# KiCad board panel.opm-lowside.kicad_pcb (continued)
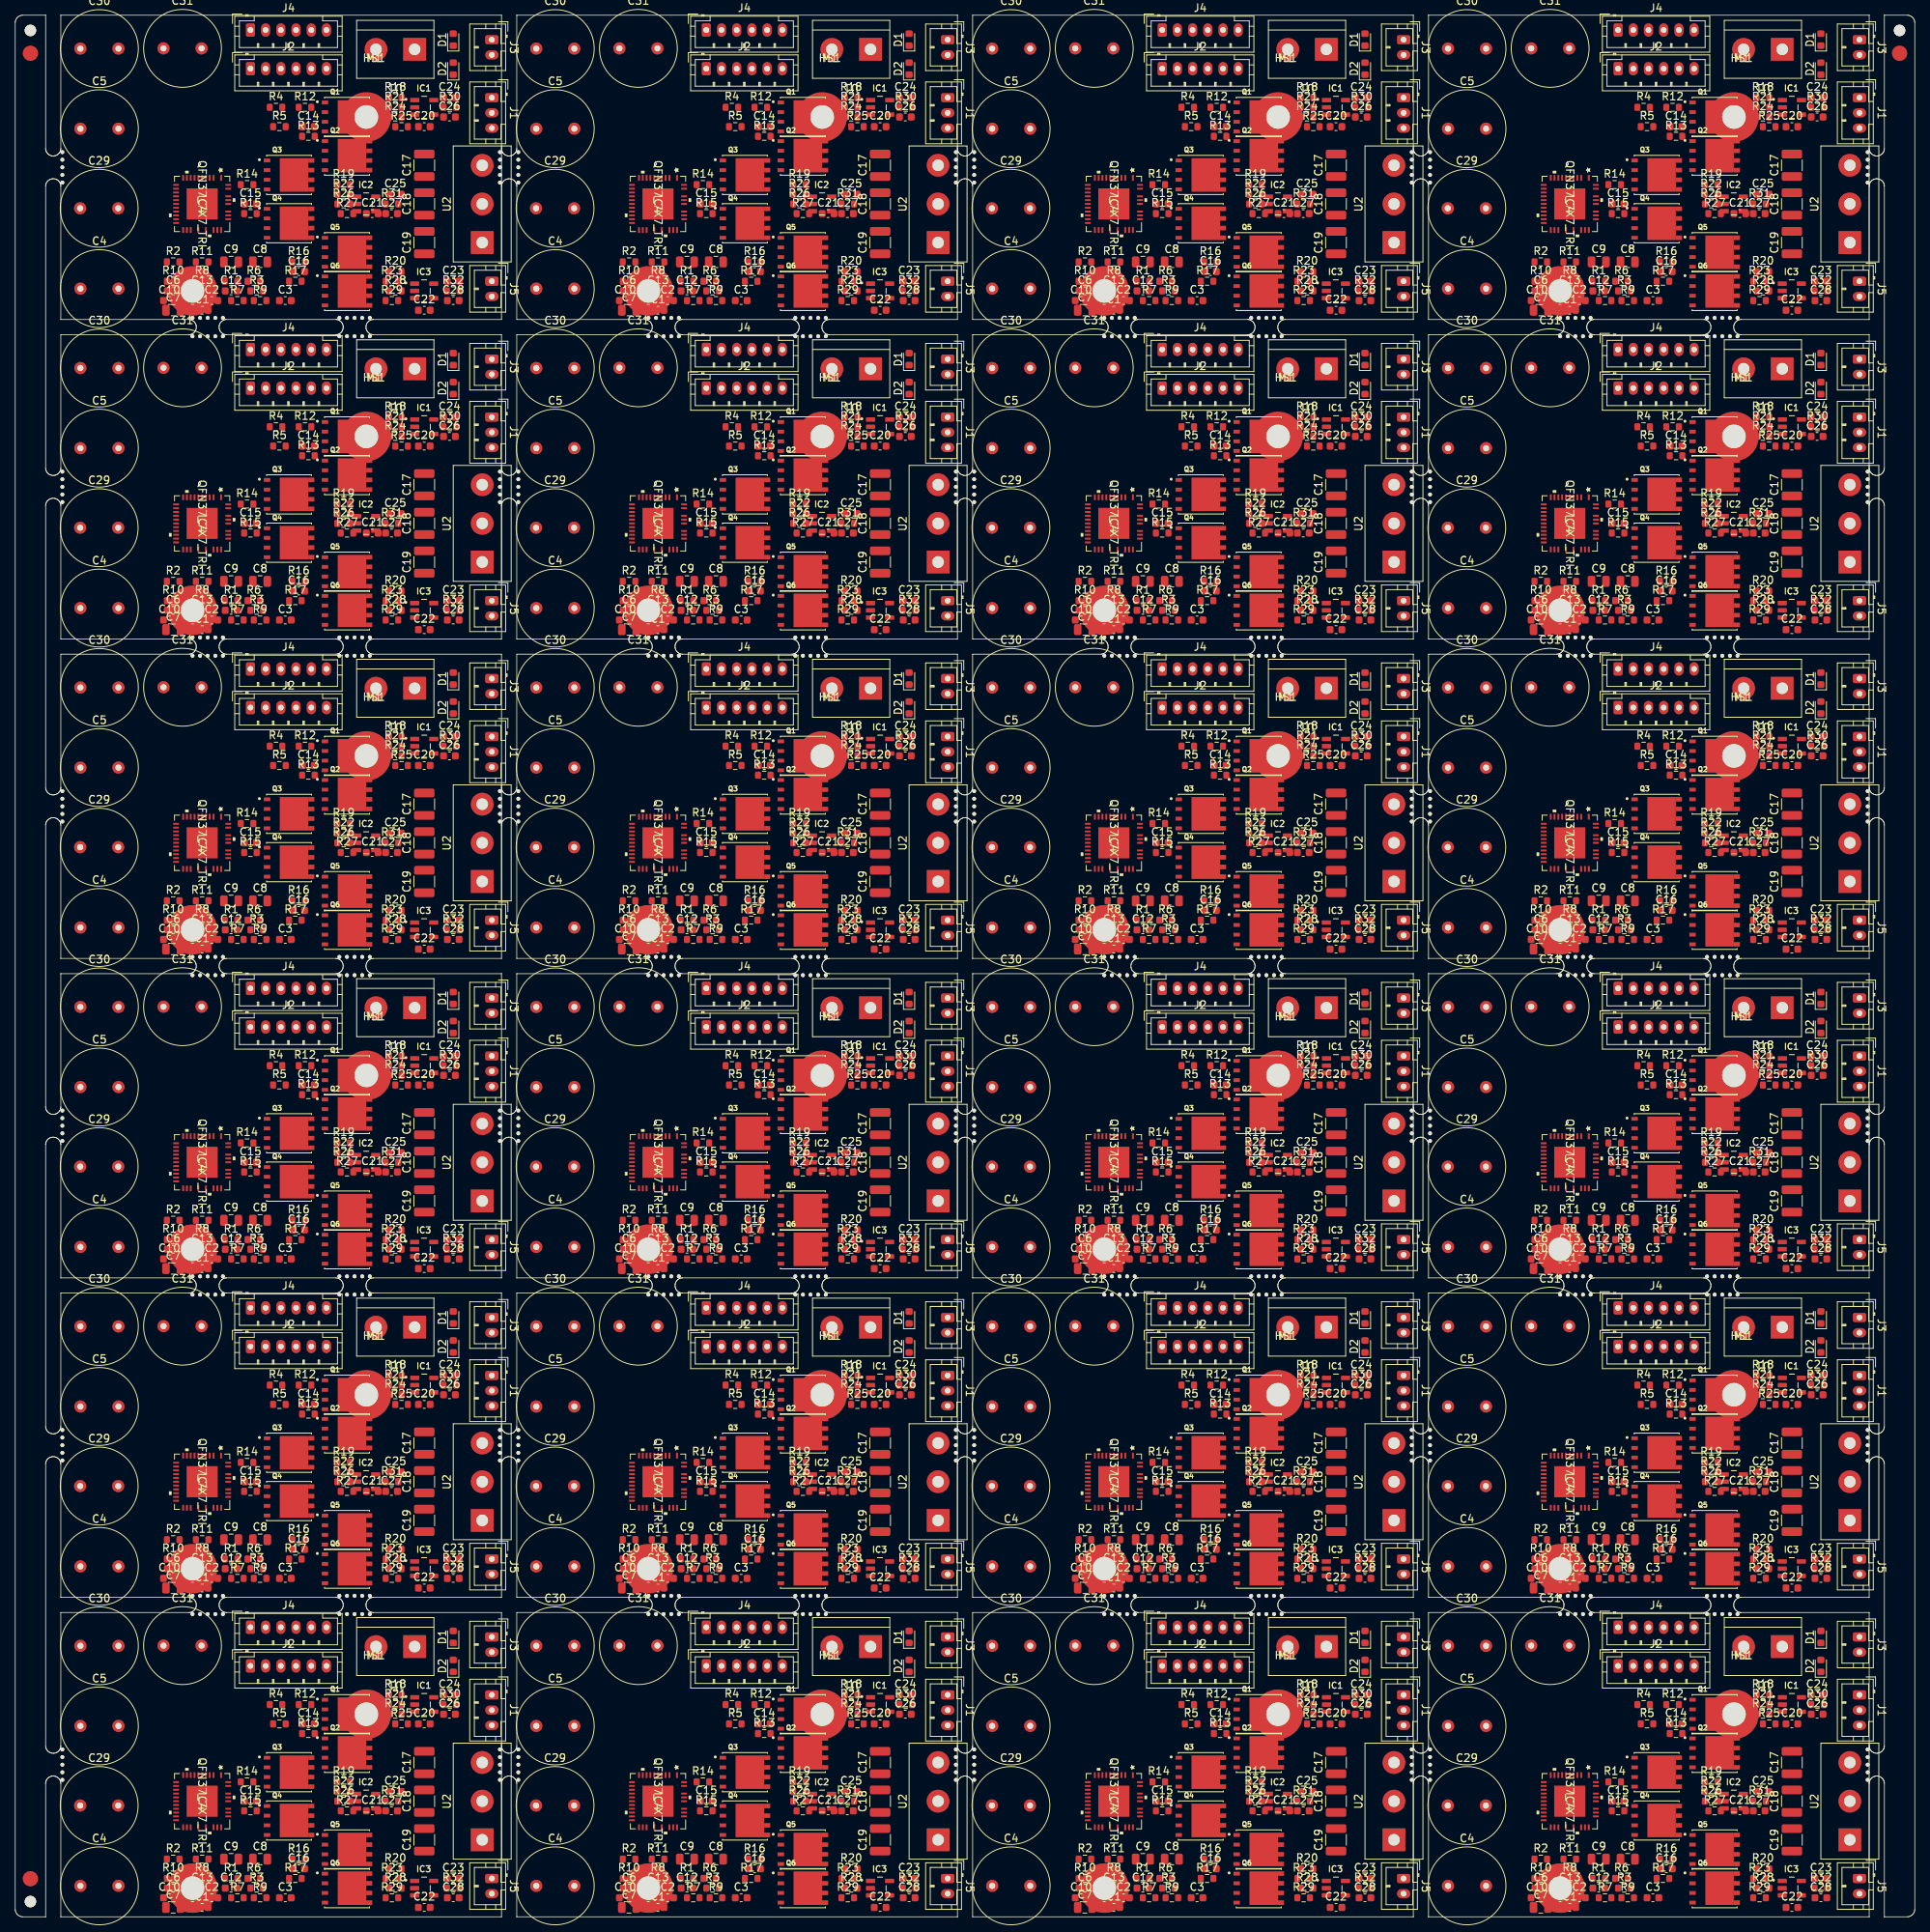
[diagram p0: board, top side]
## Nets (continued)
Board_5-Net-(IC4-Pad37): IC4#6.37 R12#6.2
Board_5-Net-(Q1-Pad4): Q1#6.4 R12#6.1
Board_5-Net-(Q2-Pad4): Q2#6.4 R13#6.1
Board_5-Net-(Q2-Pad5): Q2#6.5 Q2#6.6 Q2#6.7 Q2#6.8 R18#6.1 R21#6.1 R24#6.2
Board_5-Net-(Q3-Pad4): Q3#6.4 R14#6.1
Board_5-Net-(Q4-Pad4): Q4#6.4 R15#6.1
Board_5-Net-(Q4-Pad5): Q4#6.5 Q4#6.6 Q4#6.7 Q4#6.8 R19#6.1 R22#6.1 R26#6.2
Board_5-Net-(Q5-Pad4): Q5#6.4 R16#6.1
Board_5-Net-(Q6-Pad4): Q6#6.4 R17#6.1
Board_5-Net-(Q6-Pad5): Q6#6.5 Q6#6.6 Q6#6.7 Q6#6.8 R20#6.1 R23#6.1 R28#6.2
Board_5-Net-(R1-Pad1): R1#6.1
Board_5-Net-(R1-Pad2): R1#6.2 R2#6.1
Board_5-Net-(R10-Pad2): R10#6.2
Board_5-Net-(R20-Pad2): R20#6.2 R23#6.2 R29#6.2
Board_5-U-IA-IDC: C26#6.1 R30#6.1
Board_5-V-IA-IDC: C27#6.1 R31#6.1
Board_5-W-IA-IDC: C28#6.1 R32#6.1
Board_6-+5V: C1#7.2 C2#7.2 C3#7.2 C4#7.2 C5#7.2 C6#7.2 C7#7.2 C8#7.2 C9#7.2 C10#7.2 C12#7.1 C17#7.2 C18#7.2 C19#7.2 C23#7.1 C24#7.1 C25#7.1 C26#7.2 C27#7.2 C28#7.2 C29#7.2 C30#7.2 C31#7.2 D1#7.1 D2#7.1 IC1#7.2 IC2#7.2 IC3#7.2 IC4#7.8 IC4#7.9 J3#7.2 J5#7.2 R3#7.2 R7#7.2 R9#7.2 R11#7.2 R18#7.2 R19#7.2 R21#7.2 R22#7.2 R25#7.2 R27#7.2 U1#7.1
Board_6-/+VM: C4#7.1 C5#7.1 C12#7.2 C13#7.2 C17#7.1 C18#7.1 C19#7.1 C29#7.1 C30#7.1 C31#7.1 IC4#7.28 Q1#7.1 Q1#7.2 Q1#7.3 Q3#7.1 Q3#7.2 Q3#7.3 Q5#7.1 Q5#7.2 Q5#7.3 U1#7.2
Board_6-/ADC_I_u: J1#7.1
Board_6-/ADC_I_w: J1#7.3
Board_6-/Connectors/ADC_I_v: J1#7.2
Board_6-/Connectors/FAULT: J2#7.6
Board_6-/Connectors/Fault: R5#7.2
Board_6-/Connectors/SPI1_MISO: J2#7.4
Board_6-/Connectors/SPI1_MOSI: J2#7.3
Board_6-/Connectors/SPI1_SCK: J2#7.2
Board_6-/Connectors/VOFS: R6#7.2 R7#7.1
Board_6-/DRV_EN: IC4#7.24 J2#7.5
Board_6-/Fault: IC4#7.23
Board_6-/Motor Driver/SPI2_MISO: IC4#7.13
Board_6-/SPE: IC4#7.22 R8#7.2 R9#7.1
Board_6-/SPI2_MOSI: IC4#7.12
Board_6-/SPI2_SCK: IC4#7.11
Board_6-/U: C3#7.1 U2#7.3
Board_6-/UH: IC4#7.14 J4#7.6
Board_6-/UL: IC4#7.15 J4#7.5
Board_6-/V: C2#7.1 U2#7.2
Board_6-/VCP: C13#7.1 IC4#7.29
Board_6-/VH: IC4#7.17 J4#7.4
Board_6-/VL: IC4#7.18 J4#7.3
Board_6-/VSA: C7#7.1 IC4#7.25 R10#7.1
Board_6-/W: C1#7.1 U2#7.1
Board_6-/WH: IC4#7.19 J4#7.2
Board_6-/WL: IC4#7.20 J4#7.1
Board_6-/~{CS_DRIVER}: IC4#7.10 J2#7.1
Board_6-Net-(C6-Pad1): C6#7.1 J5#7.1 R2#7.2 R3#7.1
Board_6-Net-(C11-Pad1): C11#7.1 IC4#7.27
Board_6-Net-(C11-Pad2): C11#7.2 IC4#7.26
Board_6-Net-(C14-Pad1): C14#7.1 IC4#7.36 Q1#7.5 Q1#7.6 Q1#7.7 Q1#7.8 Q2#7.1 Q2#7.2 Q2#7.3
Board_6-Net-(C14-Pad2): C14#7.2 IC4#7.1
Board_6-Net-(C15-Pad1): C15#7.1 IC4#7.33 Q3#7.5 Q3#7.6 Q3#7.7 Q3#7.8 Q4#7.1 Q4#7.2 Q4#7.3
Board_6-Net-(C15-Pad2): C15#7.2 IC4#7.35
Board_6-Net-(C16-Pad1): C16#7.1 IC4#7.32 Q5#7.5 Q5#7.6 Q5#7.7 Q5#7.8 Q6#7.1 Q6#7.2 Q6#7.3
Board_6-Net-(C16-Pad2): C16#7.2 IC4#7.30
Board_6-Net-(C20-Pad1): C20#7.1 IC1#7.3 R24#7.1
Board_6-Net-(C20-Pad2): C20#7.2 IC1#7.4 R25#7.1
Board_6-Net-(C21-Pad1): C21#7.1 IC2#7.3 R26#7.1
Board_6-Net-(C21-Pad2): C21#7.2 IC2#7.4 R27#7.1
Board_6-Net-(C22-Pad1): C22#7.1 IC3#7.3 R28#7.1
Board_6-Net-(C22-Pad2): C22#7.2 IC3#7.4 R29#7.1
Board_6-Net-(C23-Pad2): C23#7.2 IC3#7.5
Board_6-Net-(C24-Pad2): C24#7.2 IC1#7.5
Board_6-Net-(C25-Pad2): C25#7.2 IC2#7.5
Board_6-Net-(D1-Pad2): D1#7.2 R4#7.1
Board_6-Net-(D2-Pad2): D2#7.2 R5#7.1
Board_6-Net-(IC1-Pad1): IC1#7.1 R30#7.2
Board_6-Net-(IC2-Pad1): IC2#7.1 R31#7.2
Board_6-Net-(IC3-Pad1): IC3#7.1 R32#7.2
Board_6-Net-(IC4-Pad2): IC4#7.2
Board_6-Net-(IC4-Pad3): IC4#7.3 R17#7.2
Board_6-Net-(IC4-Pad4): IC4#7.4 R15#7.2
Board_6-Net-(IC4-Pad5): IC4#7.5 R13#7.2
Board_6-Net-(IC4-Pad21): IC4#7.21 R11#7.1
Board_6-Net-(IC4-Pad31): IC4#7.31 R16#7.2
Board_6-Net-(IC4-Pad34): IC4#7.34 R14#7.2
Board_6-Net-(IC4-Pad37): IC4#7.37 R12#7.2
Board_6-Net-(Q1-Pad4): Q1#7.4 R12#7.1
Board_6-Net-(Q2-Pad4): Q2#7.4 R13#7.1
Board_6-Net-(Q2-Pad5): Q2#7.5 Q2#7.6 Q2#7.7 Q2#7.8 R18#7.1 R21#7.1 R24#7.2
Board_6-Net-(Q3-Pad4): Q3#7.4 R14#7.1
Board_6-Net-(Q4-Pad4): Q4#7.4 R15#7.1
Board_6-Net-(Q4-Pad5): Q4#7.5 Q4#7.6 Q4#7.7 Q4#7.8 R19#7.1 R22#7.1 R26#7.2
Board_6-Net-(Q5-Pad4): Q5#7.4 R16#7.1
Board_6-Net-(Q6-Pad4): Q6#7.4 R17#7.1
Board_6-Net-(Q6-Pad5): Q6#7.5 Q6#7.6 Q6#7.7 Q6#7.8 R20#7.1 R23#7.1 R28#7.2
Board_6-Net-(R1-Pad1): R1#7.1
Board_6-Net-(R1-Pad2): R1#7.2 R2#7.1
Board_6-Net-(R10-Pad2): R10#7.2
Board_6-Net-(R20-Pad2): R20#7.2 R23#7.2 R29#7.2
Board_6-U-IA-IDC: C26#7.1 R30#7.1
Board_6-V-IA-IDC: C27#7.1 R31#7.1
Board_6-W-IA-IDC: C28#7.1 R32#7.1
Board_7-+5V: C1#8.2 C2#8.2 C3#8.2 C4#8.2 C5#8.2 C6#8.2 C7#8.2 C8#8.2 C9#8.2 C10#8.2 C12#8.1 C17#8.2 C18#8.2 C19#8.2 C23#8.1 C24#8.1 C25#8.1 C26#8.2 C27#8.2 C28#8.2 C29#8.2 C30#8.2 C31#8.2 D1#8.1 D2#8.1 IC1#8.2 IC2#8.2 IC3#8.2 IC4#8.8 IC4#8.9 J3#8.2 J5#8.2 R3#8.2 R7#8.2 R9#8.2 R11#8.2 R18#8.2 R19#8.2 R21#8.2 R22#8.2 R25#8.2 R27#8.2 U1#8.1
Board_7-/+VM: C4#8.1 C5#8.1 C12#8.2 C13#8.2 C17#8.1 C18#8.1 C19#8.1 C29#8.1 C30#8.1 C31#8.1 IC4#8.28 Q1#8.1 Q1#8.2 Q1#8.3 Q3#8.1 Q3#8.2 Q3#8.3 Q5#8.1 Q5#8.2 Q5#8.3 U1#8.2
Board_7-/ADC_I_u: J1#8.1
Board_7-/ADC_I_w: J1#8.3
Board_7-/Connectors/ADC_I_v: J1#8.2
Board_7-/Connectors/FAULT: J2#8.6
Board_7-/Connectors/Fault: R5#8.2
Board_7-/Connectors/SPI1_MISO: J2#8.4
Board_7-/Connectors/SPI1_MOSI: J2#8.3
Board_7-/Connectors/SPI1_SCK: J2#8.2
Board_7-/Connectors/VOFS: R6#8.2 R7#8.1
Board_7-/DRV_EN: IC4#8.24 J2#8.5
Board_7-/Fault: IC4#8.23
Board_7-/Motor Driver/SPI2_MISO: IC4#8.13
Board_7-/SPE: IC4#8.22 R8#8.2 R9#8.1
Board_7-/SPI2_MOSI: IC4#8.12
Board_7-/SPI2_SCK: IC4#8.11
Board_7-/U: C3#8.1 U2#8.3
Board_7-/UH: IC4#8.14 J4#8.6
Board_7-/UL: IC4#8.15 J4#8.5
Board_7-/V: C2#8.1 U2#8.2
Board_7-/VCP: C13#8.1 IC4#8.29
Board_7-/VH: IC4#8.17 J4#8.4
Board_7-/VL: IC4#8.18 J4#8.3
Board_7-/VSA: C7#8.1 IC4#8.25 R10#8.1
Board_7-/W: C1#8.1 U2#8.1
Board_7-/WH: IC4#8.19 J4#8.2
Board_7-/WL: IC4#8.20 J4#8.1
Board_7-/~{CS_DRIVER}: IC4#8.10 J2#8.1
Board_7-Net-(C6-Pad1): C6#8.1 J5#8.1 R2#8.2 R3#8.1
Board_7-Net-(C11-Pad1): C11#8.1 IC4#8.27
Board_7-Net-(C11-Pad2): C11#8.2 IC4#8.26
Board_7-Net-(C14-Pad1): C14#8.1 IC4#8.36 Q1#8.5 Q1#8.6 Q1#8.7 Q1#8.8 Q2#8.1 Q2#8.2 Q2#8.3
Board_7-Net-(C14-Pad2): C14#8.2 IC4#8.1
Board_7-Net-(C15-Pad1): C15#8.1 IC4#8.33 Q3#8.5 Q3#8.6 Q3#8.7 Q3#8.8 Q4#8.1 Q4#8.2 Q4#8.3
Board_7-Net-(C15-Pad2): C15#8.2 IC4#8.35
Board_7-Net-(C16-Pad1): C16#8.1 IC4#8.32 Q5#8.5 Q5#8.6 Q5#8.7 Q5#8.8 Q6#8.1 Q6#8.2 Q6#8.3
Board_7-Net-(C16-Pad2): C16#8.2 IC4#8.30
Board_7-Net-(C20-Pad1): C20#8.1 IC1#8.3 R24#8.1
Board_7-Net-(C20-Pad2): C20#8.2 IC1#8.4 R25#8.1
Board_7-Net-(C21-Pad1): C21#8.1 IC2#8.3 R26#8.1
Board_7-Net-(C21-Pad2): C21#8.2 IC2#8.4 R27#8.1
Board_7-Net-(C22-Pad1): C22#8.1 IC3#8.3 R28#8.1
Board_7-Net-(C22-Pad2): C22#8.2 IC3#8.4 R29#8.1
Board_7-Net-(C23-Pad2): C23#8.2 IC3#8.5
Board_7-Net-(C24-Pad2): C24#8.2 IC1#8.5
Board_7-Net-(C25-Pad2): C25#8.2 IC2#8.5
Board_7-Net-(D1-Pad2): D1#8.2 R4#8.1
Board_7-Net-(D2-Pad2): D2#8.2 R5#8.1
Board_7-Net-(IC1-Pad1): IC1#8.1 R30#8.2
Board_7-Net-(IC2-Pad1): IC2#8.1 R31#8.2
Board_7-Net-(IC3-Pad1): IC3#8.1 R32#8.2
Board_7-Net-(IC4-Pad2): IC4#8.2
Board_7-Net-(IC4-Pad3): IC4#8.3 R17#8.2
Board_7-Net-(IC4-Pad4): IC4#8.4 R15#8.2
Board_7-Net-(IC4-Pad5): IC4#8.5 R13#8.2
Board_7-Net-(IC4-Pad21): IC4#8.21 R11#8.1
Board_7-Net-(IC4-Pad31): IC4#8.31 R16#8.2
Board_7-Net-(IC4-Pad34): IC4#8.34 R14#8.2
Board_7-Net-(IC4-Pad37): IC4#8.37 R12#8.2
Board_7-Net-(Q1-Pad4): Q1#8.4 R12#8.1
Board_7-Net-(Q2-Pad4): Q2#8.4 R13#8.1
Board_7-Net-(Q2-Pad5): Q2#8.5 Q2#8.6 Q2#8.7 Q2#8.8 R18#8.1 R21#8.1 R24#8.2
Board_7-Net-(Q3-Pad4): Q3#8.4 R14#8.1
Board_7-Net-(Q4-Pad4): Q4#8.4 R15#8.1
Board_7-Net-(Q4-Pad5): Q4#8.5 Q4#8.6 Q4#8.7 Q4#8.8 R19#8.1 R22#8.1 R26#8.2
Board_7-Net-(Q5-Pad4): Q5#8.4 R16#8.1
Board_7-Net-(Q6-Pad4): Q6#8.4 R17#8.1
Board_7-Net-(Q6-Pad5): Q6#8.5 Q6#8.6 Q6#8.7 Q6#8.8 R20#8.1 R23#8.1 R28#8.2
Board_7-Net-(R1-Pad1): R1#8.1
Board_7-Net-(R1-Pad2): R1#8.2 R2#8.1
Board_7-Net-(R10-Pad2): R10#8.2
Board_7-Net-(R20-Pad2): R20#8.2 R23#8.2 R29#8.2
Board_7-U-IA-IDC: C26#8.1 R30#8.1
Board_7-V-IA-IDC: C27#8.1 R31#8.1
Board_7-W-IA-IDC: C28#8.1 R32#8.1
Board_8-+5V: C1#9.2 C2#9.2 C3#9.2 C4#9.2 C5#9.2 C6#9.2 C7#9.2 C8#9.2 C9#9.2 C10#9.2 C12#9.1 C17#9.2 C18#9.2 C19#9.2 C23#9.1 C24#9.1 C25#9.1 C26#9.2 C27#9.2 C28#9.2 C29#9.2 C30#9.2 C31#9.2 D1#9.1 D2#9.1 IC1#9.2 IC2#9.2 IC3#9.2 IC4#9.8 IC4#9.9 J3#9.2 J5#9.2 R3#9.2 R7#9.2 R9#9.2 R11#9.2 R18#9.2 R19#9.2 R21#9.2 R22#9.2 R25#9.2 R27#9.2 U1#9.1
Board_8-/+VM: C4#9.1 C5#9.1 C12#9.2 C13#9.2 C17#9.1 C18#9.1 C19#9.1 C29#9.1 C30#9.1 C31#9.1 IC4#9.28 Q1#9.1 Q1#9.2 Q1#9.3 Q3#9.1 Q3#9.2 Q3#9.3 Q5#9.1 Q5#9.2 Q5#9.3 U1#9.2
Board_8-/ADC_I_u: J1#9.1
Board_8-/ADC_I_w: J1#9.3
Board_8-/Connectors/ADC_I_v: J1#9.2
Board_8-/Connectors/FAULT: J2#9.6
Board_8-/Connectors/Fault: R5#9.2
Board_8-/Connectors/SPI1_MISO: J2#9.4
Board_8-/Connectors/SPI1_MOSI: J2#9.3
Board_8-/Connectors/SPI1_SCK: J2#9.2
Board_8-/Connectors/VOFS: R6#9.2 R7#9.1
Board_8-/DRV_EN: IC4#9.24 J2#9.5
Board_8-/Fault: IC4#9.23
Board_8-/Motor Driver/SPI2_MISO: IC4#9.13
Board_8-/SPE: IC4#9.22 R8#9.2 R9#9.1
Board_8-/SPI2_MOSI: IC4#9.12
Board_8-/SPI2_SCK: IC4#9.11
Board_8-/U: C3#9.1 U2#9.3
Board_8-/UH: IC4#9.14 J4#9.6
Board_8-/UL: IC4#9.15 J4#9.5
Board_8-/V: C2#9.1 U2#9.2
Board_8-/VCP: C13#9.1 IC4#9.29
Board_8-/VH: IC4#9.17 J4#9.4
Board_8-/VL: IC4#9.18 J4#9.3
Board_8-/VSA: C7#9.1 IC4#9.25 R10#9.1
Board_8-/W: C1#9.1 U2#9.1
Board_8-/WH: IC4#9.19 J4#9.2
Board_8-/WL: IC4#9.20 J4#9.1
Board_8-/~{CS_DRIVER}: IC4#9.10 J2#9.1
Board_8-Net-(C6-Pad1): C6#9.1 J5#9.1 R2#9.2 R3#9.1
Board_8-Net-(C11-Pad1): C11#9.1 IC4#9.27
Board_8-Net-(C11-Pad2): C11#9.2 IC4#9.26
Board_8-Net-(C14-Pad1): C14#9.1 IC4#9.36 Q1#9.5 Q1#9.6 Q1#9.7 Q1#9.8 Q2#9.1 Q2#9.2 Q2#9.3
Board_8-Net-(C14-Pad2): C14#9.2 IC4#9.1
Board_8-Net-(C15-Pad1): C15#9.1 IC4#9.33 Q3#9.5 Q3#9.6 Q3#9.7 Q3#9.8 Q4#9.1 Q4#9.2 Q4#9.3
Board_8-Net-(C15-Pad2): C15#9.2 IC4#9.35
Board_8-Net-(C16-Pad1): C16#9.1 IC4#9.32 Q5#9.5 Q5#9.6 Q5#9.7 Q5#9.8 Q6#9.1 Q6#9.2 Q6#9.3
Board_8-Net-(C16-Pad2): C16#9.2 IC4#9.30
Board_8-Net-(C20-Pad1): C20#9.1 IC1#9.3 R24#9.1
Board_8-Net-(C20-Pad2): C20#9.2 IC1#9.4 R25#9.1
Board_8-Net-(C21-Pad1): C21#9.1 IC2#9.3 R26#9.1
Board_8-Net-(C21-Pad2): C21#9.2 IC2#9.4 R27#9.1
Board_8-Net-(C22-Pad1): C22#9.1 IC3#9.3 R28#9.1
Board_8-Net-(C22-Pad2): C22#9.2 IC3#9.4 R29#9.1
Board_8-Net-(C23-Pad2): C23#9.2 IC3#9.5
Board_8-Net-(C24-Pad2): C24#9.2 IC1#9.5
Board_8-Net-(C25-Pad2): C25#9.2 IC2#9.5
Board_8-Net-(D1-Pad2): D1#9.2 R4#9.1
Board_8-Net-(D2-Pad2): D2#9.2 R5#9.1
Board_8-Net-(IC1-Pad1): IC1#9.1 R30#9.2
Board_8-Net-(IC2-Pad1): IC2#9.1 R31#9.2
Board_8-Net-(IC3-Pad1): IC3#9.1 R32#9.2
Board_8-Net-(IC4-Pad2): IC4#9.2
Board_8-Net-(IC4-Pad3): IC4#9.3 R17#9.2
Board_8-Net-(IC4-Pad4): IC4#9.4 R15#9.2
Board_8-Net-(IC4-Pad5): IC4#9.5 R13#9.2
Board_8-Net-(IC4-Pad21): IC4#9.21 R11#9.1
Board_8-Net-(IC4-Pad31): IC4#9.31 R16#9.2
Board_8-Net-(IC4-Pad34): IC4#9.34 R14#9.2
Board_8-Net-(IC4-Pad37): IC4#9.37 R12#9.2
Board_8-Net-(Q1-Pad4): Q1#9.4 R12#9.1
Board_8-Net-(Q2-Pad4): Q2#9.4 R13#9.1
Board_8-Net-(Q2-Pad5): Q2#9.5 Q2#9.6 Q2#9.7 Q2#9.8 R18#9.1 R21#9.1 R24#9.2
Board_8-Net-(Q3-Pad4): Q3#9.4 R14#9.1
Board_8-Net-(Q4-Pad4): Q4#9.4 R15#9.1
Board_8-Net-(Q4-Pad5): Q4#9.5 Q4#9.6 Q4#9.7 Q4#9.8 R19#9.1 R22#9.1 R26#9.2
Board_8-Net-(Q5-Pad4): Q5#9.4 R16#9.1
Board_8-Net-(Q6-Pad4): Q6#9.4 R17#9.1
Board_8-Net-(Q6-Pad5): Q6#9.5 Q6#9.6 Q6#9.7 Q6#9.8 R20#9.1 R23#9.1 R28#9.2
Board_8-Net-(R1-Pad1): R1#9.1
Board_8-Net-(R1-Pad2): R1#9.2 R2#9.1
Board_8-Net-(R10-Pad2): R10#9.2
Board_8-Net-(R20-Pad2): R20#9.2 R23#9.2 R29#9.2
Board_8-U-IA-IDC: C26#9.1 R30#9.1
Board_8-V-IA-IDC: C27#9.1 R31#9.1
Board_8-W-IA-IDC: C28#9.1 R32#9.1
Board_9-+5V: C1#10.2 C2#10.2 C3#10.2 C4#10.2 C5#10.2 C6#10.2 C7#10.2 C8#10.2 C9#10.2 C10#10.2 C12#10.1 C17#10.2 C18#10.2 C19#10.2 C23#10.1 C24#10.1 C25#10.1 C26#10.2 C27#10.2 C28#10.2 C29#10.2 C30#10.2 C31#10.2 D1#10.1 D2#10.1 IC1#10.2 IC2#10.2 IC3#10.2 IC4#10.8 IC4#10.9 J3#10.2 J5#10.2 R3#10.2 R7#10.2 R9#10.2 R11#10.2 R18#10.2 R19#10.2 R21#10.2 R22#10.2 R25#10.2 R27#10.2 U1#10.1
Board_9-/+VM: C4#10.1 C5#10.1 C12#10.2 C13#10.2 C17#10.1 C18#10.1 C19#10.1 C29#10.1 C30#10.1 C31#10.1 IC4#10.28 Q1#10.1 Q1#10.2 Q1#10.3 Q3#10.1 Q3#10.2 Q3#10.3 Q5#10.1 Q5#10.2 Q5#10.3 U1#10.2
Board_9-/ADC_I_u: J1#10.1
Board_9-/ADC_I_w: J1#10.3
Board_9-/Connectors/ADC_I_v: J1#10.2
Board_9-/Connectors/FAULT: J2#10.6
Board_9-/Connectors/Fault: R5#10.2
Board_9-/Connectors/SPI1_MISO: J2#10.4
Board_9-/Connectors/SPI1_MOSI: J2#10.3
Board_9-/Connectors/SPI1_SCK: J2#10.2
Board_9-/Connectors/VOFS: R6#10.2 R7#10.1
Board_9-/DRV_EN: IC4#10.24 J2#10.5
Board_9-/Fault: IC4#10.23
Board_9-/Motor Driver/SPI2_MISO: IC4#10.13
Board_9-/SPE: IC4#10.22 R8#10.2 R9#10.1
Board_9-/SPI2_MOSI: IC4#10.12
Board_9-/SPI2_SCK: IC4#10.11
Board_9-/U: C3#10.1 U2#10.3
Board_9-/UH: IC4#10.14 J4#10.6
Board_9-/UL: IC4#10.15 J4#10.5
Board_9-/V: C2#10.1 U2#10.2
Board_9-/VCP: C13#10.1 IC4#10.29
Board_9-/VH: IC4#10.17 J4#10.4
Board_9-/VL: IC4#10.18 J4#10.3
Board_9-/VSA: C7#10.1 IC4#10.25 R10#10.1
Board_9-/W: C1#10.1 U2#10.1
Board_9-/WH: IC4#10.19 J4#10.2
Board_9-/WL: IC4#10.20 J4#10.1
Board_9-/~{CS_DRIVER}: IC4#10.10 J2#10.1
Board_9-Net-(C6-Pad1): C6#10.1 J5#10.1 R2#10.2 R3#10.1
Board_9-Net-(C11-Pad1): C11#10.1 IC4#10.27
Board_9-Net-(C11-Pad2): C11#10.2 IC4#10.26
Board_9-Net-(C14-Pad1): C14#10.1 IC4#10.36 Q1#10.5 Q1#10.6 Q1#10.7 Q1#10.8 Q2#10.1 Q2#10.2 Q2#10.3
Board_9-Net-(C14-Pad2): C14#10.2 IC4#10.1
Board_9-Net-(C15-Pad1): C15#10.1 IC4#10.33 Q3#10.5 Q3#10.6 Q3#10.7 Q3#10.8 Q4#10.1 Q4#10.2 Q4#10.3
Board_9-Net-(C15-Pad2): C15#10.2 IC4#10.35
Board_9-Net-(C16-Pad1): C16#10.1 IC4#10.32 Q5#10.5 Q5#10.6 Q5#10.7 Q5#10.8 Q6#10.1 Q6#10.2 Q6#10.3
Board_9-Net-(C16-Pad2): C16#10.2 IC4#10.30
Board_9-Net-(C20-Pad1): C20#10.1 IC1#10.3 R24#10.1
Board_9-Net-(C20-Pad2): C20#10.2 IC1#10.4 R25#10.1
Board_9-Net-(C21-Pad1): C21#10.1 IC2#10.3 R26#10.1
Board_9-Net-(C21-Pad2): C21#10.2 IC2#10.4 R27#10.1
Board_9-Net-(C22-Pad1): C22#10.1 IC3#10.3 R28#10.1
Board_9-Net-(C22-Pad2): C22#10.2 IC3#10.4 R29#10.1
Board_9-Net-(C23-Pad2): C23#10.2 IC3#10.5
Board_9-Net-(C24-Pad2): C24#10.2 IC1#10.5
Board_9-Net-(C25-Pad2): C25#10.2 IC2#10.5
Board_9-Net-(D1-Pad2): D1#10.2 R4#10.1
Board_9-Net-(D2-Pad2): D2#10.2 R5#10.1
Board_9-Net-(IC1-Pad1): IC1#10.1 R30#10.2
Board_9-Net-(IC2-Pad1): IC2#10.1 R31#10.2
Board_9-Net-(IC3-Pad1): IC3#10.1 R32#10.2
Board_9-Net-(IC4-Pad2): IC4#10.2
Board_9-Net-(IC4-Pad3): IC4#10.3 R17#10.2
Board_9-Net-(IC4-Pad4): IC4#10.4 R15#10.2
Board_9-Net-(IC4-Pad5): IC4#10.5 R13#10.2
Board_9-Net-(IC4-Pad21): IC4#10.21 R11#10.1
Board_9-Net-(IC4-Pad31): IC4#10.31 R16#10.2
Board_9-Net-(IC4-Pad34): IC4#10.34 R14#10.2
Board_9-Net-(IC4-Pad37): IC4#10.37 R12#10.2
Board_9-Net-(Q1-Pad4): Q1#10.4 R12#10.1
Board_9-Net-(Q2-Pad4): Q2#10.4 R13#10.1
Board_9-Net-(Q2-Pad5): Q2#10.5 Q2#10.6 Q2#10.7 Q2#10.8 R18#10.1 R21#10.1 R24#10.2
Board_9-Net-(Q3-Pad4): Q3#10.4 R14#10.1
Board_9-Net-(Q4-Pad4): Q4#10.4 R15#10.1
Board_9-Net-(Q4-Pad5): Q4#10.5 Q4#10.6 Q4#10.7 Q4#10.8 R19#10.1 R22#10.1 R26#10.2
Board_9-Net-(Q5-Pad4): Q5#10.4 R16#10.1
Board_9-Net-(Q6-Pad4): Q6#10.4 R17#10.1
Board_9-Net-(Q6-Pad5): Q6#10.5 Q6#10.6 Q6#10.7 Q6#10.8 R20#10.1 R23#10.1 R28#10.2
Board_9-Net-(R1-Pad1): R1#10.1
Board_9-Net-(R1-Pad2): R1#10.2 R2#10.1
Board_9-Net-(R10-Pad2): R10#10.2
Board_9-Net-(R20-Pad2): R20#10.2 R23#10.2 R29#10.2
Board_9-U-IA-IDC: C26#10.1 R30#10.1
Board_9-V-IA-IDC: C27#10.1 R31#10.1
Board_9-W-IA-IDC: C28#10.1 R32#10.1
Board_10-+5V: C1#11.2 C2#11.2 C3#11.2 C4#11.2 C5#11.2 C6#11.2 C7#11.2 C8#11.2 C9#11.2 C10#11.2 C12#11.1 C17#11.2 C18#11.2 C19#11.2 C23#11.1 C24#11.1 C25#11.1 C26#11.2 C27#11.2 C28#11.2 C29#11.2 C30#11.2 C31#11.2 D1#11.1 D2#11.1 IC1#11.2 IC2#11.2 IC3#11.2 IC4#11.8 IC4#11.9 J3#11.2 J5#11.2 R3#11.2 R7#11.2 R9#11.2 R11#11.2 R18#11.2 R19#11.2 R21#11.2 R22#11.2 R25#11.2 R27#11.2 U1#11.1
Board_10-/+VM: C4#11.1 C5#11.1 C12#11.2 C13#11.2 C17#11.1 C18#11.1 C19#11.1 C29#11.1 C30#11.1 C31#11.1 IC4#11.28 Q1#11.1 Q1#11.2 Q1#11.3 Q3#11.1 Q3#11.2 Q3#11.3 Q5#11.1 Q5#11.2 Q5#11.3 U1#11.2
Board_10-/ADC_I_u: J1#11.1
Board_10-/ADC_I_w: J1#11.3
Board_10-/Connectors/ADC_I_v: J1#11.2
Board_10-/Connectors/FAULT: J2#11.6
Board_10-/Connectors/Fault: R5#11.2
Board_10-/Connectors/SPI1_MISO: J2#11.4
Board_10-/Connectors/SPI1_MOSI: J2#11.3
Board_10-/Connectors/SPI1_SCK: J2#11.2
Board_10-/Connectors/VOFS: R6#11.2 R7#11.1
Board_10-/DRV_EN: IC4#11.24 J2#11.5
Board_10-/Fault: IC4#11.23
Board_10-/Motor Driver/SPI2_MISO: IC4#11.13
Board_10-/SPE: IC4#11.22 R8#11.2 R9#11.1
Board_10-/SPI2_MOSI: IC4#11.12
Board_10-/SPI2_SCK: IC4#11.11
Board_10-/U: C3#11.1 U2#11.3
Board_10-/UH: IC4#11.14 J4#11.6
Board_10-/UL: IC4#11.15 J4#11.5
Board_10-/V: C2#11.1 U2#11.2
Board_10-/VCP: C13#11.1 IC4#11.29
Board_10-/VH: IC4#11.17 J4#11.4
Board_10-/VL: IC4#11.18 J4#11.3
Board_10-/VSA: C7#11.1 IC4#11.25 R10#11.1
Board_10-/W: C1#11.1 U2#11.1
Board_10-/WH: IC4#11.19 J4#11.2
Board_10-/WL: IC4#11.20 J4#11.1
Board_10-/~{CS_DRIVER}: IC4#11.10 J2#11.1
Board_10-Net-(C6-Pad1): C6#11.1 J5#11.1 R2#11.2 R3#11.1
Board_10-Net-(C11-Pad1): C11#11.1 IC4#11.27
Board_10-Net-(C11-Pad2): C11#11.2 IC4#11.26
Board_10-Net-(C14-Pad1): C14#11.1 IC4#11.36 Q1#11.5 Q1#11.6 Q1#11.7 Q1#11.8 Q2#11.1 Q2#11.2 Q2#11.3
Board_10-Net-(C14-Pad2): C14#11.2 IC4#11.1
Board_10-Net-(C15-Pad1): C15#11.1 IC4#11.33 Q3#11.5 Q3#11.6 Q3#11.7 Q3#11.8 Q4#11.1 Q4#11.2 Q4#11.3
Board_10-Net-(C15-Pad2): C15#11.2 IC4#11.35
Board_10-Net-(C16-Pad1): C16#11.1 IC4#11.32 Q5#11.5 Q5#11.6 Q5#11.7 Q5#11.8 Q6#11.1 Q6#11.2 Q6#11.3
Board_10-Net-(C16-Pad2): C16#11.2 IC4#11.30
Board_10-Net-(C20-Pad1): C20#11.1 IC1#11.3 R24#11.1
Board_10-Net-(C20-Pad2): C20#11.2 IC1#11.4 R25#11.1
Board_10-Net-(C21-Pad1): C21#11.1 IC2#11.3 R26#11.1
Board_10-Net-(C21-Pad2): C21#11.2 IC2#11.4 R27#11.1
Board_10-Net-(C22-Pad1): C22#11.1 IC3#11.3 R28#11.1
Board_10-Net-(C22-Pad2): C22#11.2 IC3#11.4 R29#11.1
Board_10-Net-(C23-Pad2): C23#11.2 IC3#11.5
Board_10-Net-(C24-Pad2): C24#11.2 IC1#11.5
Board_10-Net-(C25-Pad2): C25#11.2 IC2#11.5
Board_10-Net-(D1-Pad2): D1#11.2 R4#11.1
Board_10-Net-(D2-Pad2): D2#11.2 R5#11.1
Board_10-Net-(IC1-Pad1): IC1#11.1 R30#11.2
Board_10-Net-(IC2-Pad1): IC2#11.1 R31#11.2
Board_10-Net-(IC3-Pad1): IC3#11.1 R32#11.2
Board_10-Net-(IC4-Pad2): IC4#11.2
Board_10-Net-(IC4-Pad3): IC4#11.3 R17#11.2
Board_10-Net-(IC4-Pad4): IC4#11.4 R15#11.2
Board_10-Net-(IC4-Pad5): IC4#11.5 R13#11.2
Board_10-Net-(IC4-Pad21): IC4#11.21 R11#11.1
Board_10-Net-(IC4-Pad31): IC4#11.31 R16#11.2
Board_10-Net-(IC4-Pad34): IC4#11.34 R14#11.2
Board_10-Net-(IC4-Pad37): IC4#11.37 R12#11.2
Board_10-Net-(Q1-Pad4): Q1#11.4 R12#11.1
Board_10-Net-(Q2-Pad4): Q2#11.4 R13#11.1
Board_10-Net-(Q2-Pad5): Q2#11.5 Q2#11.6 Q2#11.7 Q2#11.8 R18#11.1 R21#11.1 R24#11.2
Board_10-Net-(Q3-Pad4): Q3#11.4 R14#11.1
Board_10-Net-(Q4-Pad4): Q4#11.4 R15#11.1
Board_10-Net-(Q4-Pad5): Q4#11.5 Q4#11.6 Q4#11.7 Q4#11.8 R19#11.1 R22#11.1 R26#11.2
Board_10-Net-(Q5-Pad4): Q5#11.4 R16#11.1
Board_10-Net-(Q6-Pad4): Q6#11.4 R17#11.1
Board_10-Net-(Q6-Pad5): Q6#11.5 Q6#11.6 Q6#11.7 Q6#11.8 R20#11.1 R23#11.1 R28#11.2
Board_10-Net-(R1-Pad1): R1#11.1
Board_10-Net-(R1-Pad2): R1#11.2 R2#11.1
Board_10-Net-(R10-Pad2): R10#11.2
Board_10-Net-(R20-Pad2): R20#11.2 R23#11.2 R29#11.2
Board_10-U-IA-IDC: C26#11.1 R30#11.1
Board_10-V-IA-IDC: C27#11.1 R31#11.1
Board_10-W-IA-IDC: C28#11.1 R32#11.1
Board_11-+5V: C1#12.2 C2#12.2 C3#12.2 C4#12.2 C5#12.2 C6#12.2 C7#12.2 C8#12.2 C9#12.2 C10#12.2 C12#12.1 C17#12.2 C18#12.2 C19#12.2 C23#12.1 C24#12.1 C25#12.1 C26#12.2 C27#12.2 C28#12.2 C29#12.2 C30#12.2 C31#12.2 D1#12.1 D2#12.1 IC1#12.2 IC2#12.2 IC3#12.2 IC4#12.8 IC4#12.9 J3#12.2 J5#12.2 R3#12.2 R7#12.2 R9#12.2 R11#12.2 R18#12.2 R19#12.2 R21#12.2 R22#12.2 R25#12.2 R27#12.2 U1#12.1
Board_11-/+VM: C4#12.1 C5#12.1 C12#12.2 C13#12.2 C17#12.1 C18#12.1 C19#12.1 C29#12.1 C30#12.1 C31#12.1 IC4#12.28 Q1#12.1 Q1#12.2 Q1#12.3 Q3#12.1 Q3#12.2 Q3#12.3 Q5#12.1 Q5#12.2 Q5#12.3 U1#12.2
Board_11-/ADC_I_u: J1#12.1
Board_11-/ADC_I_w: J1#12.3
Board_11-/Connectors/ADC_I_v: J1#12.2
Board_11-/Connectors/FAULT: J2#12.6
Board_11-/Connectors/Fault: R5#12.2
Board_11-/Connectors/SPI1_MISO: J2#12.4
Board_11-/Connectors/SPI1_MOSI: J2#12.3
Board_11-/Connectors/SPI1_SCK: J2#12.2
Board_11-/Connectors/VOFS: R6#12.2 R7#12.1
Board_11-/DRV_EN: IC4#12.24 J2#12.5
Board_11-/Fault: IC4#12.23
Board_11-/Motor Driver/SPI2_MISO: IC4#12.13
Board_11-/SPE: IC4#12.22 R8#12.2 R9#12.1
Board_11-/SPI2_MOSI: IC4#12.12
Board_11-/SPI2_SCK: IC4#12.11
Board_11-/U: C3#12.1 U2#12.3
Board_11-/UH: IC4#12.14 J4#12.6
Board_11-/UL: IC4#12.15 J4#12.5
Board_11-/V: C2#12.1 U2#12.2
Board_11-/VCP: C13#12.1 IC4#12.29
Board_11-/VH: IC4#12.17 J4#12.4
Board_11-/VL: IC4#12.18 J4#12.3
Board_11-/VSA: C7#12.1 IC4#12.25 R10#12.1
Board_11-/W: C1#12.1 U2#12.1
Board_11-/WH: IC4#12.19 J4#12.2
Board_11-/WL: IC4#12.20 J4#12.1
Board_11-/~{CS_DRIVER}: IC4#12.10 J2#12.1
Board_11-Net-(C6-Pad1): C6#12.1 J5#12.1 R2#12.2 R3#12.1
Board_11-Net-(C11-Pad1): C11#12.1 IC4#12.27
Board_11-Net-(C11-Pad2): C11#12.2 IC4#12.26
Board_11-Net-(C14-Pad1): C14#12.1 IC4#12.36 Q1#12.5 Q1#12.6 Q1#12.7 Q1#12.8 Q2#12.1 Q2#12.2 Q2#12.3
Board_11-Net-(C14-Pad2): C14#12.2 IC4#12.1
Board_11-Net-(C15-Pad1): C15#12.1 IC4#12.33 Q3#12.5 Q3#12.6 Q3#12.7 Q3#12.8 Q4#12.1 Q4#12.2 Q4#12.3
Board_11-Net-(C15-Pad2): C15#12.2 IC4#12.35
Board_11-Net-(C16-Pad1): C16#12.1 IC4#12.32 Q5#12.5 Q5#12.6 Q5#12.7 Q5#12.8 Q6#12.1 Q6#12.2 Q6#12.3
Board_11-Net-(C16-Pad2): C16#12.2 IC4#12.30
Board_11-Net-(C20-Pad1): C20#12.1 IC1#12.3 R24#12.1
Board_11-Net-(C20-Pad2): C20#12.2 IC1#12.4 R25#12.1
Board_11-Net-(C21-Pad1): C21#12.1 IC2#12.3 R26#12.1
Board_11-Net-(C21-Pad2): C21#12.2 IC2#12.4 R27#12.1
Board_11-Net-(C22-Pad1): C22#12.1 IC3#12.3 R28#12.1
Board_11-Net-(C22-Pad2): C22#12.2 IC3#12.4 R29#12.1
Board_11-Net-(C23-Pad2): C23#12.2 IC3#12.5
Board_11-Net-(C24-Pad2): C24#12.2 IC1#12.5
Board_11-Net-(C25-Pad2): C25#12.2 IC2#12.5
Board_11-Net-(D1-Pad2): D1#12.2 R4#12.1
Board_11-Net-(D2-Pad2): D2#12.2 R5#12.1
Board_11-Net-(IC1-Pad1): IC1#12.1 R30#12.2
Board_11-Net-(IC2-Pad1): IC2#12.1 R31#12.2
Board_11-Net-(IC3-Pad1): IC3#12.1 R32#12.2
Board_11-Net-(IC4-Pad2): IC4#12.2
Board_11-Net-(IC4-Pad3): IC4#12.3 R17#12.2
Board_11-Net-(IC4-Pad4): IC4#12.4 R15#12.2
Board_11-Net-(IC4-Pad5): IC4#12.5 R13#12.2
Board_11-Net-(IC4-Pad21): IC4#12.21 R11#12.1
Board_11-Net-(IC4-Pad31): IC4#12.31 R16#12.2
Board_11-Net-(IC4-Pad34): IC4#12.34 R14#12.2
Board_11-Net-(IC4-Pad37): IC4#12.37 R12#12.2
Board_11-Net-(Q1-Pad4): Q1#12.4 R12#12.1
Board_11-Net-(Q2-Pad4): Q2#12.4 R13#12.1
Board_11-Net-(Q2-Pad5): Q2#12.5 Q2#12.6 Q2#12.7 Q2#12.8 R18#12.1 R21#12.1 R24#12.2
Board_11-Net-(Q3-Pad4): Q3#12.4 R14#12.1
Board_11-Net-(Q4-Pad4): Q4#12.4 R15#12.1
Board_11-Net-(Q4-Pad5): Q4#12.5 Q4#12.6 Q4#12.7 Q4#12.8 R19#12.1 R22#12.1 R26#12.2
Board_11-Net-(Q5-Pad4): Q5#12.4 R16#12.1
Board_11-Net-(Q6-Pad4): Q6#12.4 R17#12.1
Board_11-Net-(Q6-Pad5): Q6#12.5 Q6#12.6 Q6#12.7 Q6#12.8 R20#12.1 R23#12.1 R28#12.2
Board_11-Net-(R1-Pad1): R1#12.1
Board_11-Net-(R1-Pad2): R1#12.2 R2#12.1
Board_11-Net-(R10-Pad2): R10#12.2
Board_11-Net-(R20-Pad2): R20#12.2 R23#12.2 R29#12.2
Board_11-U-IA-IDC: C26#12.1 R30#12.1
Board_11-V-IA-IDC: C27#12.1 R31#12.1
Board_11-W-IA-IDC: C28#12.1 R32#12.1
Board_12-+5V: C1#13.2 C2#13.2 C3#13.2 C4#13.2 C5#13.2 C6#13.2 C7#13.2 C8#13.2 C9#13.2 C10#13.2 C12#13.1 C17#13.2 C18#13.2 C19#13.2 C23#13.1 C24#13.1 C25#13.1 C26#13.2 C27#13.2 C28#13.2 C29#13.2 C30#13.2 C31#13.2 D1#13.1 D2#13.1 IC1#13.2 IC2#13.2 IC3#13.2 IC4#13.8 IC4#13.9 J3#13.2 J5#13.2 R3#13.2 R7#13.2 R9#13.2 R11#13.2 R18#13.2 R19#13.2 R21#13.2 R22#13.2 R25#13.2 R27#13.2 U1#13.1
Board_12-/+VM: C4#13.1 C5#13.1 C12#13.2 C13#13.2 C17#13.1 C18#13.1 C19#13.1 C29#13.1 C30#13.1 C31#13.1 IC4#13.28 Q1#13.1 Q1#13.2 Q1#13.3 Q3#13.1 Q3#13.2 Q3#13.3 Q5#13.1 Q5#13.2 Q5#13.3 U1#13.2
Board_12-/ADC_I_u: J1#13.1
Board_12-/ADC_I_w: J1#13.3
Board_12-/Connectors/ADC_I_v: J1#13.2
Board_12-/Connectors/FAULT: J2#13.6
Board_12-/Connectors/Fault: R5#13.2
Board_12-/Connectors/SPI1_MISO: J2#13.4
Board_12-/Connectors/SPI1_MOSI: J2#13.3
Board_12-/Connectors/SPI1_SCK: J2#13.2
Board_12-/Connectors/VOFS: R6#13.2 R7#13.1
Board_12-/DRV_EN: IC4#13.24 J2#13.5
Board_12-/Fault: IC4#13.23
Board_12-/Motor Driver/SPI2_MISO: IC4#13.13
Board_12-/SPE: IC4#13.22 R8#13.2 R9#13.1
Board_12-/SPI2_MOSI: IC4#13.12
Board_12-/SPI2_SCK: IC4#13.11
Board_12-/U: C3#13.1 U2#13.3
Board_12-/UH: IC4#13.14 J4#13.6
Board_12-/UL: IC4#13.15 J4#13.5
Board_12-/V: C2#13.1 U2#13.2
Board_12-/VCP: C13#13.1 IC4#13.29
Board_12-/VH: IC4#13.17 J4#13.4
Board_12-/VL: IC4#13.18 J4#13.3
Board_12-/VSA: C7#13.1 IC4#13.25 R10#13.1
Board_12-/W: C1#13.1 U2#13.1
Board_12-/WH: IC4#13.19 J4#13.2
Board_12-/WL: IC4#13.20 J4#13.1
Board_12-/~{CS_DRIVER}: IC4#13.10 J2#13.1
Board_12-Net-(C6-Pad1): C6#13.1 J5#13.1 R2#13.2 R3#13.1
Board_12-Net-(C11-Pad1): C11#13.1 IC4#13.27
Board_12-Net-(C11-Pad2): C11#13.2 IC4#13.26
Board_12-Net-(C14-Pad1): C14#13.1 IC4#13.36 Q1#13.5 Q1#13.6 Q1#13.7 Q1#13.8 Q2#13.1 Q2#13.2 Q2#13.3
Board_12-Net-(C14-Pad2): C14#13.2 IC4#13.1
Board_12-Net-(C15-Pad1): C15#13.1 IC4#13.33 Q3#13.5 Q3#13.6 Q3#13.7 Q3#13.8 Q4#13.1 Q4#13.2 Q4#13.3
Board_12-Net-(C15-Pad2): C15#13.2 IC4#13.35
Board_12-Net-(C16-Pad1): C16#13.1 IC4#13.32 Q5#13.5 Q5#13.6 Q5#13.7 Q5#13.8 Q6#13.1 Q6#13.2 Q6#13.3
Board_12-Net-(C16-Pad2): C16#13.2 IC4#13.30
Board_12-Net-(C20-Pad1): C20#13.1 IC1#13.3 R24#13.1
Board_12-Net-(C20-Pad2): C20#13.2 IC1#13.4 R25#13.1
